# Altium PCB SVEC.pcbdoc (part 8 of 18)
Units mil, origin at the board's own origin, x right, y up, seen from the top; angles counter-clockwise.
Board outline 6349.25 x 9237.04 mil, 10 copper layers (Top Layer, L2 GND, L3, L4 PWR3.3, L5, L6, L7 GND, L8, L9 PWR, Bottom Layer), stack 58.268 mil thick; 906 components, 904 nets, 4753 pads, 3116 vias.
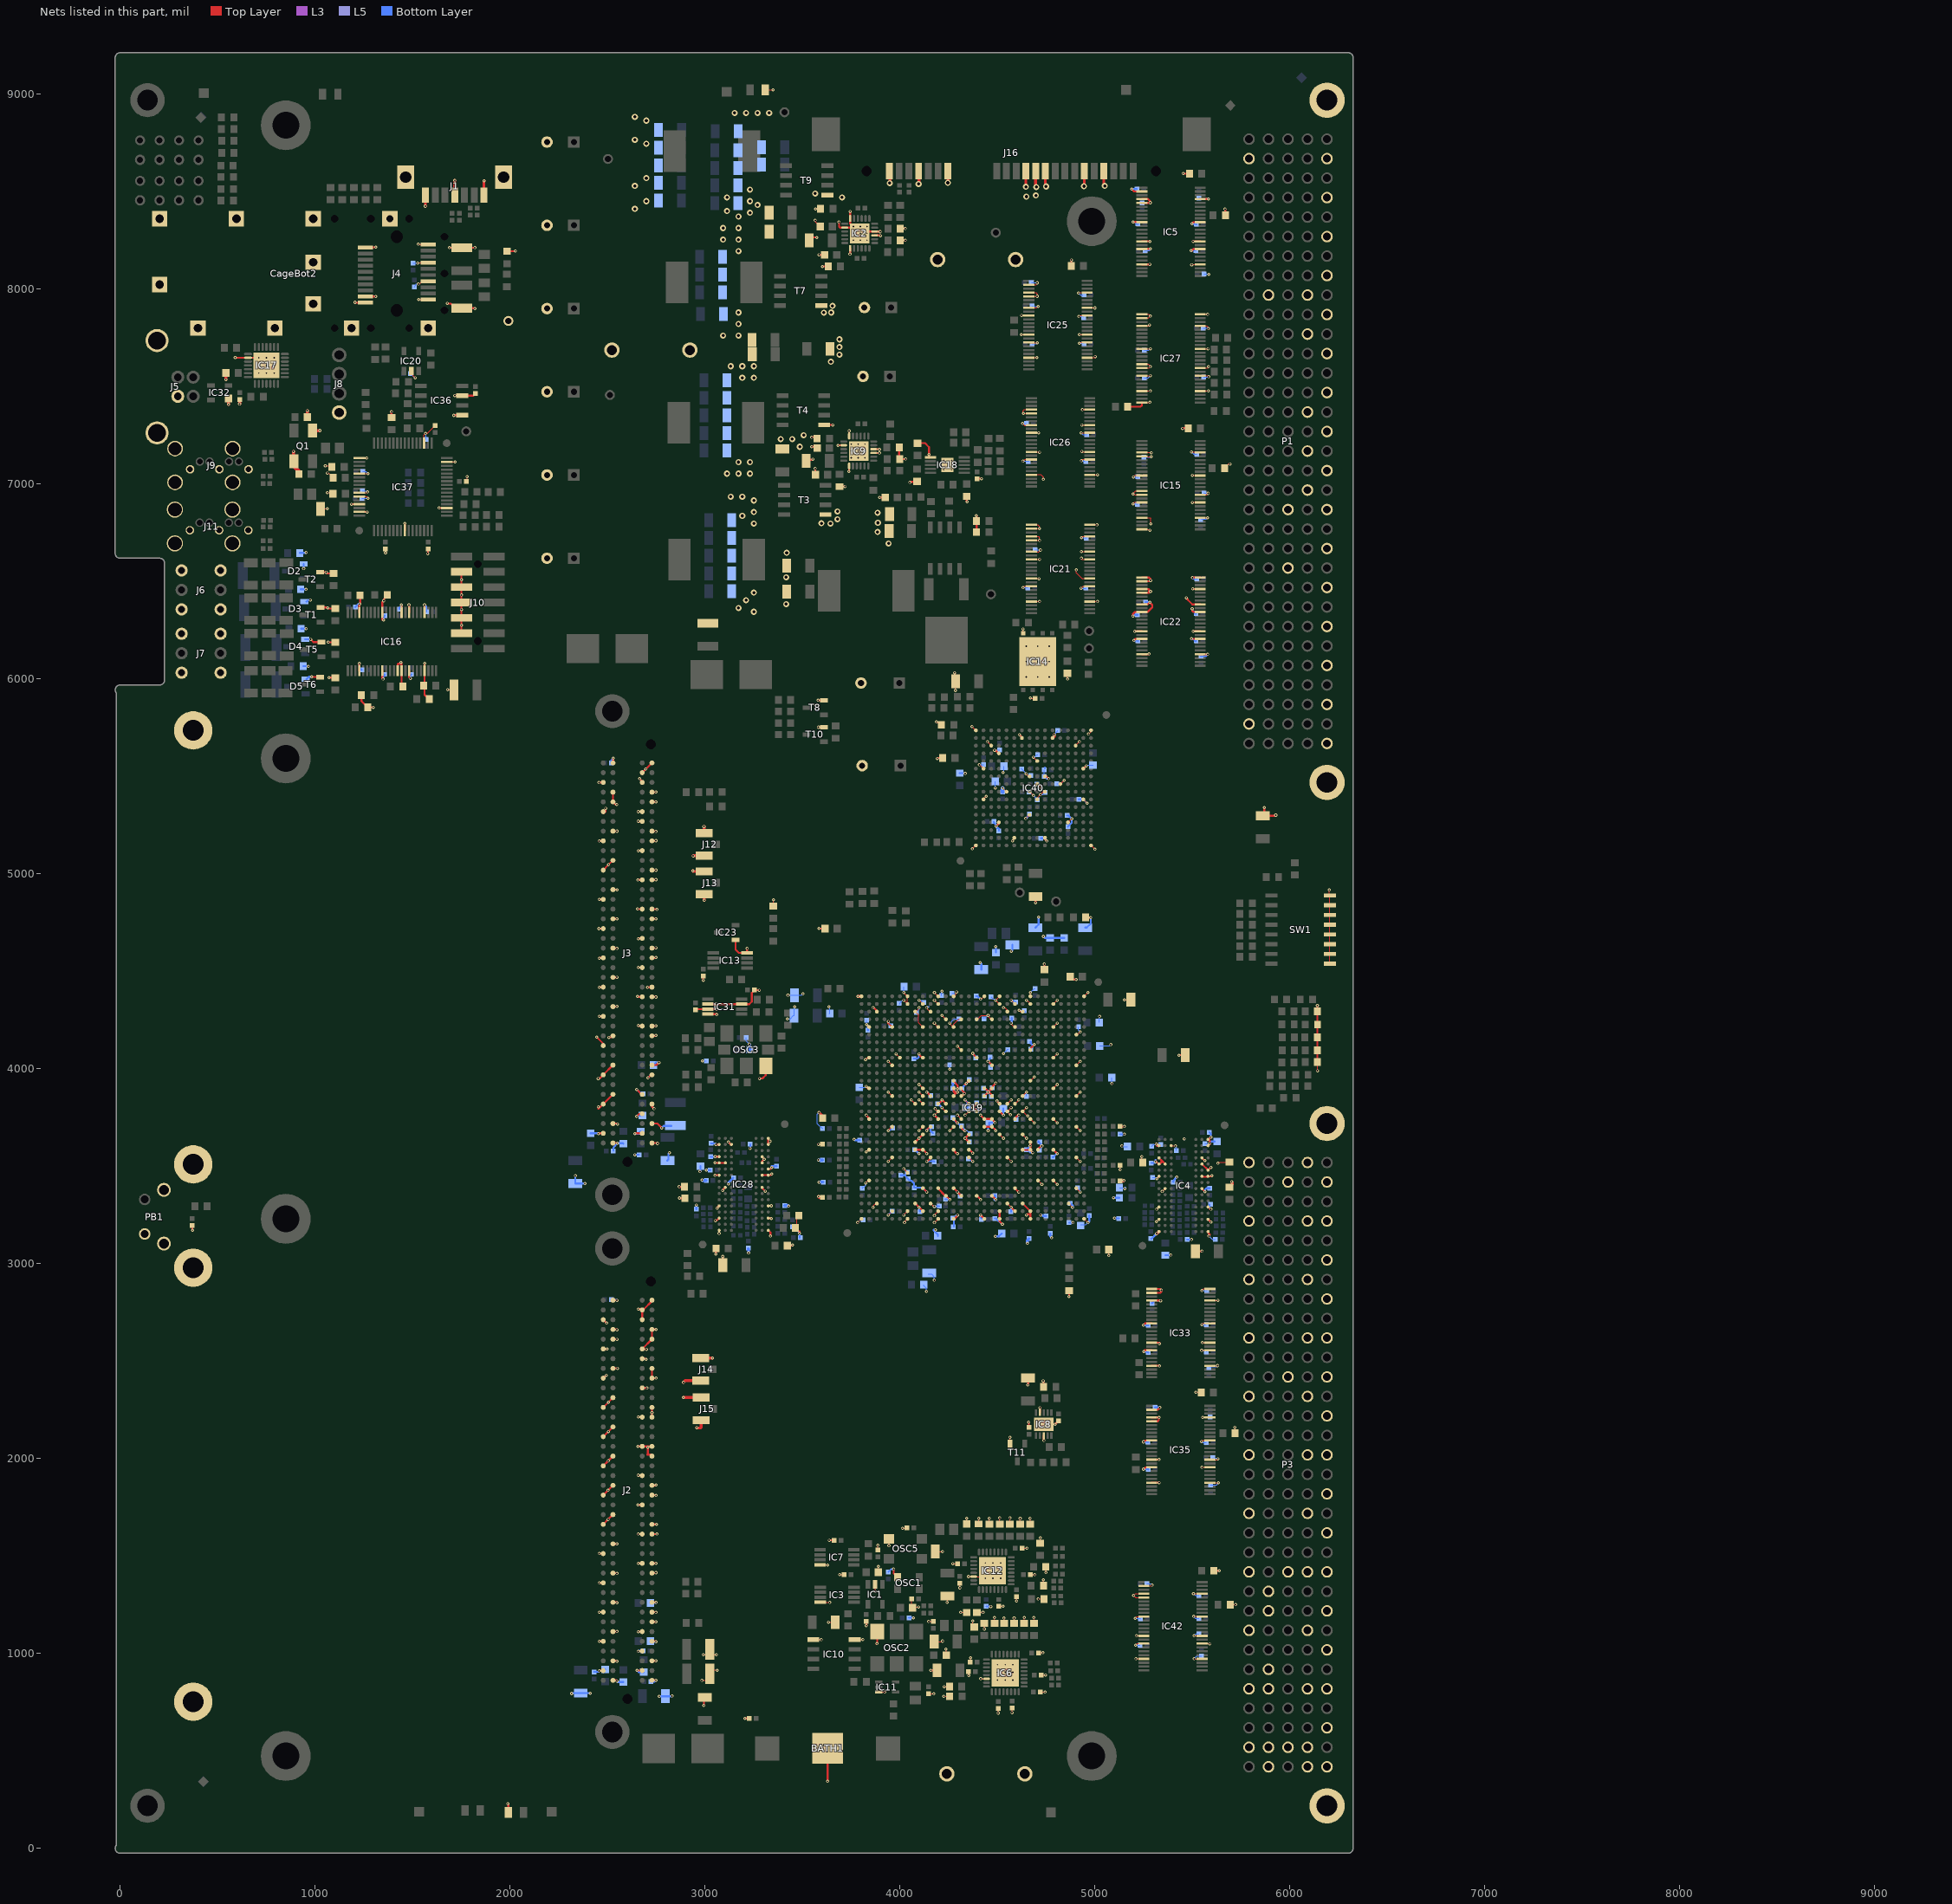
[diagram p16: the nets of this part, all layers, seen from the top]

## Via types
v1: diameter 15.75, hole 7.87, Top Layer to Bottom Layer, tented both sides, 2844 vias
v2: diameter 31.5, hole 15.75, Top Layer to Bottom Layer, tented both sides, 224 vias
v3: diameter 19.68, hole 7.87, Top Layer to Bottom Layer, tented both sides, 31 vias
v4: diameter 15.75, hole 7.87, Top Layer to Bottom Layer, 17 vias

## Nets (pads, with @x,y where several pads share a name; then routed paths per layer and width w, separated by ;. In a path a pad name is that pad's centre, name@x,y a point inside that pad or via, vN(x,y) a via of type N, cw(c..) or ccw(c..) an arc to the next point about the centre after c; other vN are vias at no path point) (continued)
GND: B10.1 B12.1 B13.1 B14.1 B15.1 BATH1.2 C1.1 C2.1 C3.1 C4.1 C5.1 C6.1 C7.1 C8.1 C9.1 C10.1 C11.1 C12.1 C13.2 C14.1 C15.1 C16.1 C17.1 C18.1 C19.1 C20.1 C21.1 C22.1 C23.1 C24.1 C25.1 C26.1 C27.1 C28.1 C29.1 C30.1 C31.1 C32.1 C33.1 C34.1 C35.1 C40.1 C42.1 C43.1 C44.2 C45.1 C46.1 C47.1 C48.1 C49.1 C50.1 C51.1 C52.1 C53.1 C55.1 C56.1 C57.1 C58.1 C59.1 C60.2 C61.1 C62.1 C63.1 C65.1 C66.1 C67.1 C68.1 C69.1 C70.1 C71.1 C72.1 C73.1 C75.1 C76.1 C77.1 C80.2 C81.1 C82.1 C83.1 C84.1 C85.1 C86.1 C87.1 C88.2 C89.1 C90.1 C91.1 C92.1 C93.1 C94.1 C95.1 C96.1 C97.1 C98.1 C99.1 C101.1 C102.1 C103.1 C104.1 C105.1 C106.1 C107.1 C108.1 C109.1 C110.1 C111.1 C112.1 C113.1 C114.1 C115.1 C117.1 C118.1 C119.1 C120.1 C121.1 C122.1 C123.1 C124.1 C125.2 C126.1 C127.2 C128.1 C129.1 C130.1 C131.1 C132.2 C133.1 C134.1 C135.1 C136.1 C137.1 C138.1 C139.1 C140.1 C141.1 C142.1 C143.1 C144.1 C145.1 C146.1 C147.1 C148.1 C149.1 C150.1 C151.1 C152.1 C153.2 C154.1 C155.1 C156.1 C158.1 C159.1 C160.1 C161.1 C163.1 C164.2 C166.2 C168.1 C169.1 C170.1 C171.1 C172.1 C173.1 C174.1 C175.2 C176.2 C177.1 C178.1 C179.2 C180.1 C181.1 C182.2 C183.1 C184.1 C185.2 C186.2 C187.1 C188.1 C189.1 C190.1 C191.1 C192.1 C193.1 C194.1 C196.1 C197.1 C198.1 C199.1 C200.1 C201.1 C202.1 C203.1 C204.1 C205.1 C206.1 C207.1 C208.1 C209.1 C210.1 C211.2 C212.1 C214.2 C215.1 C216.1 C217.1 C218.1 C219.2 C220.2 C221.1 C222.1 C223.1 C224.2 C225.2 C226.1 C227.1 C228.2 C229.1 C230.1 C231.1 C232.1 C233.1 C234.1 C235.1 C236.2 C237.1 C238.2 C239.1 C240.2 C241.2 C242.1 C243.1 C244.1 C245.1 C246.1 C247.2 C248.2 C249.2 C250.1 C251.1 C252.1 C253.2 C254.1 C255.1 C256.1 C257.1 C263.1 C264.2 C268.1 C269.1 C270.1 C271.1 C272.1 C273.1 C274.1 C275.1 C276.1 C277.1 C278.1 C279.1 C280.1 C281.1 C282.1 C283.1 C284.1 C285.1 C286.1 C287.2 C288.1 C289.1 C290.1 C291.1 C292.1 C293.1 C294.2 C295.1 C296.2 C297.1 C298.1 C299.1 C300.1 C301.2 C302.1 C303.1 C304.1 C305.1 C306.2 C307.2 C308.2 C309.1 C310.1 C311.1 C312.1 C313.1 C314.2 C315.1 C316.1 C317.1 C318.1 C319.2 C320.1 C321.1 C322.1 C323.1 C324.2 C325.1 C326.2 C327.1 C328.2 C329.1 C330.1 C331.2 C332.1 C333.1 C334.1 C335.1 C336.2 C337.1 C338.2 C339.1 C340.1 C341.1 C342.1 C343.1 C344.1 C345.1 C346.1 C347.1 C351.2 C352.2 C353.2 C354.2 C355.1 C357.1 C359.2 C360.1 C361.1 C362.2 C363.2 C364.1 C365.2 C366.2 C367.2 C368.2 C369.1 C370.1 C371.1 C372.1 C373.1 C374.1 C375.1 C377.1 C378.2 C379.1 C380.1 C381.1 C382.1 C383.1 C384.1 C385.1 C387.1 C388.1 C389.1 C390.1 C391.1 C393.1 C394.1 C395.1 C396.1 C397.1 C398.1 C399.1 C400.1 C401.1 C402.1 C403.1 C404.1 C405.1 C406.1 C412.2 C431.1 C435.2 C436.2 C437.1 C447.2 C453.1 C457.1 C464.2 C465.1 C468.1 C500.1 C501.2 C506.1 C507.2 C512.1 C513.2 C516.1 C517.2 C519.2 C520.1 C521.2 C522.1 CageBot2.21 CageBot2.22 CageBot2.23 CageBot2.24 CageBot2.25 CageBot2.26 CageBot2.27 CageBot2.28 CageBot2.29 CageBot2.30 CageBot2.31 D2.1 D3.1 D4.1 D5.1 IC1.2 IC2.3 IC2.4 IC2.12 IC2.14 IC2.19 IC2.25 IC3.8 IC4.A9 IC4.B1 IC4.B3 IC4.B9 IC4.D1 IC4.D8 IC4.E1 IC4.E2 IC4.E8 IC4.F9 IC4.G1 IC4.G8 IC4.G9 IC4.J2 IC4.J8 IC4.M1 IC4.M9 IC4.P1 IC4.P9 IC4.T1 IC4.T9 IC5.2 IC5.4 IC5.5 IC5.10 IC5.15 IC5.17 IC5.21 IC5.28 IC5.32 IC5.34 IC5.39 IC5.45 IC6.22 IC6.33 IC7.8 IC8.4 IC8.8 IC8.11 IC9.3 IC9.4 IC9.12 IC9.14 IC9.19 IC9.25 IC10.4 IC10.5 IC11.3 IC12.22 IC12.33 IC13.4 IC14.4 IC14.9 IC15.4 IC15.5 IC15.10 IC15.14 IC15.15 IC15.17 IC15.21 IC15.24 IC15.28 IC15.32 IC15.34 IC15.39 IC15.45 IC16.4 IC16.10 IC16.14 IC16.15 IC16.17 IC16.21 IC16.28 IC16.32 IC16.34 IC16.39 IC16.45 IC17.2 IC17.29 IC18.6 IC18.11 IC19.A1 IC19.A8 IC19.A12 IC19.A14 IC19.A18 IC19.A20 IC19.A24 IC19.A30 IC19.AA2 IC19.AA13 IC19.AA26 IC19.AB5 IC19.AB15 IC19.AB22 IC19.AB25 IC19.AB29 IC19.AC8 IC19.AC17 IC19.AE2 IC19.AF5 IC19.AF10 IC19.AF18 IC19.AF20 IC19.AF22 IC19.AF26 IC19.AF29 IC19.AG13 IC19.AG15 IC19.AG17 IC19.AG19 IC19.AH9 IC19.AH11 IC19.AH21 IC19.AH23 IC19.AH28 IC19.AJ5 IC19.AJ8 IC19.AJ10 IC19.AJ12 IC19.AJ20 IC19.AJ22 IC19.AJ24 IC19.AK1 IC19.AK8 IC19.AK12 IC19.AK14 IC19.AK18 IC19.AK20 IC19.AK24 IC19.AK30 IC19.B8 IC19.B10 IC19.B12 IC19.B20 IC19.B22 IC19.B24 IC19.B26 IC19.C3 IC19.C9 IC19.C11 IC19.C21 IC19.C23 IC19.C28 IC19.D13 IC19.D15 IC19.D17 IC19.D19 IC19.E2 IC19.E10 IC19.E18 IC19.E20 IC19.E22 IC19.F5 IC19.F7 IC19.F29 IC19.G24 IC19.J2 IC19.J11 IC19.J16 IC19.J21 IC19.J26 IC19.K5 IC19.K7 IC19.K8 IC19.K9 IC19.K16 IC19.K18 IC19.K22 IC19.K23 IC19.K29 IC19.L8 IC19.L16 IC19.L23 IC19.M9 IC19.M12 IC19.M16 IC19.M22 IC19.N2 IC19.N13 IC19.N14 IC19.N17 IC19.N18 IC19.N21 IC19.N22 IC19.N26 IC19.P5 IC19.P8 IC19.P10 IC19.P13 IC19.P14 IC19.P17 IC19.P18 IC19.P20 IC19.P29 IC19.R9 IC19.R11 IC19.R12 IC19.R15 IC19.R16 IC19.R19 IC19.R20 IC19.T10 IC19.T11 IC19.T12 IC19.T15 IC19.T16 IC19.T19 IC19.T20 IC19.T22 IC19.T23 IC19.U2 IC19.U9 IC19.U13 IC19.U14 IC19.U17 IC19.U18 IC19.U21 IC19.U22 IC19.U26 IC19.V5 IC19.V13 IC19.V14 IC19.V17 IC19.V18 IC19.V22 IC19.V29 IC19.W8 IC19.W16 IC19.W18 IC20.2 IC21.1 IC21.2 IC21.4 IC21.5 IC21.8 IC21.10 IC21.15 IC21.17 IC21.21 IC21.28 IC21.32 IC21.34 IC21.39 IC21.41 IC21.45 IC21.48 IC22.1 IC22.2 IC22.4 IC22.5 IC22.8 IC22.10 IC22.15 IC22.17 IC22.21 IC22.28 IC22.32 IC22.34 IC22.39 IC22.41 IC22.45 IC22.48 IC23.1 IC25.2 IC25.4 IC25.5 IC25.8 IC25.10 IC25.15 IC25.17 IC25.21 IC25.28 IC25.32 IC25.34 IC25.39 IC25.41 IC25.45 IC26.4 IC26.5 IC26.8 IC26.10 IC26.15 IC26.17 IC26.21 IC26.28 IC26.32 IC26.34 IC26.39 IC26.41 IC26.45 IC27.1 IC27.2 IC27.4 IC27.10 IC27.14 IC27.15 IC27.17 IC27.21 IC27.24 IC27.28 IC27.32 IC27.34 IC27.39 IC27.45 IC27.48 IC28.A9 IC28.B1 IC28.B3 IC28.B9 IC28.D1 IC28.D8 IC28.E1 IC28.E2 IC28.E8 IC28.F9 IC28.G1 IC28.G8 IC28.G9 IC28.J2 IC28.J8 IC28.M1 IC28.M9 IC28.P1 IC28.P9 IC28.T1 IC28.T9 IC31.2 IC31.3 IC31.4 IC31.7 IC32.1 IC33.1 IC33.2 IC33.4 IC33.10 IC33.15 IC33.17 IC33.21 IC33.28 IC33.32 IC33.34 IC33.39 IC33.45 IC33.48 IC35.2 IC35.4 IC35.5 IC35.10 IC35.15 IC35.17 IC35.21 IC35.28 IC35.32 IC35.34 IC35.39 IC35.45 IC36.5 IC36.7 IC37.1 IC37.5 IC37.10 IC37.11 IC37.13 IC37.15 IC37.25 IC37.35 IC37.47 IC37.51 IC40.A1 IC40.A16 IC40.B7 IC40.B11 IC40.D4 IC40.D13 IC40.E9 IC40.G2 IC40.G8 IC40.G15 IC40.H7 IC40.H9 IC40.H12 IC40.J5 IC40.J8 IC40.K7 IC40.K9 IC40.L2 IC40.L15 IC40.M8 IC40.N13 IC40.P3 IC40.P14 IC40.R6 IC40.R10 IC40.T1 IC40.T16 IC42.2 IC42.4 IC42.5 IC42.10 IC42.15 IC42.17 IC42.21 IC42.28 IC42.32 IC42.34 IC42.39 IC42.45 J1.1 J1.4 J1.7 J1.8 J2.c1 J2.c4 J2.c5 J2.c8 J2.c9 J2.c12 J2.c13 J2.c16 J2.c17 J2.c20 J2.c21 J2.c24 J2.c25 J2.c28 J2.c29 J2.c32 J2.c33 J2.c34 J2.c36 J2.c38 J2.c40 J2.d2 J2.d3 J2.d6 J2.d7 J2.d10 J2.d13 J2.d16 J2.d19 J2.d22 J2.d25 J2.d28 J2.d35 J2.d37 J2.d39 J2.g1 J2.g4 J2.g5 J2.g8 J2.g11 J2.g14 J2.g17 J2.g20 J2.g23 J2.g26 J2.g29 J2.g32 J2.g35 J2.g38 J2.g40 J2.h3 J2.h6 J2.h9 J2.h12 J2.h15 J2.h18 J2.h21 J2.h24 J2.h27 J2.h30 J2.h33 J2.h36 J2.h39 J3.c1 J3.c4 J3.c5 J3.c8 J3.c9 J3.c12 J3.c13 J3.c16 J3.c17 J3.c20 J3.c21 J3.c24 J3.c25 J3.c28 J3.c29 J3.c32 J3.c33 J3.c36 J3.c38 J3.c40 J3.d2 J3.d3 J3.d6 J3.d7 J3.d10 J3.d13 J3.d16 J3.d19 J3.d22 J3.d25 J3.d28 J3.d35 J3.d37 J3.d39 J3.g1 J3.g4 J3.g5 J3.g8 J3.g11 J3.g14 J3.g17 J3.g20 J3.g23 J3.g26 J3.g29 J3.g32 J3.g35 J3.g38 J3.g40 J3.h3 J3.h6 J3.h9 J3.h12 J3.h15 J3.h18 J3.h21 J3.h24 J3.h27 J3.h30 J3.h33 J3.h36 J3.h39 J4.1 J4.9 J4.10 J4.11 J4.14 J4.17 J4.20 J5.4 J5.5 J6.3 J7.3 J8.1 J9.1 J9.4 J9.7 J9.8 J10.3 J10.5 J10.7 J10.9 J10.11 J11.1 J11.4 J11.7 J11.8 J12.2 J13.2 J14.2 J15.2 J16.P4 J16.P5 J16.P6 J16.P10 J16.P12 J16.S1 J16.S4 J16.S7 LD15.1 OSC1.3 OSC2.3 OSC3.3 OSC5.2 P1.a9 P1.a11 P1.a15 P1.a17 P1.a19 P1.b20 P1.b23 P1.c9 P1.d2 P1.d31 P1.MTG1 P1.MTG2 P1.z2 P1.z4 P1.z6 P1.z8 P1.z10 P1.z12 P1.z14 P1.z16 P1.z18 P1.z20 P1.z22 P1.z24 P1.z26 P1.z28 P1.z30 P1.z32 P3.a1 P3.a4 P3.a7 P3.a10 P3.a13 P3.a16 P3.a19 P3.a22 P3.a25 P3.a28 P3.a31 P3.a32 P3.b2 P3.b12 P3.b22 P3.b31 P3.c23 P3.c24 P3.c27 P3.c28 P3.c31 P3.c32 P3.d1 P3.d4 P3.d7 P3.d10 P3.d13 P3.d16 P3.d19 P3.d22 P3.d25 P3.d28 P3.d31 P3.MTG1 P3.MTG2 P3.z2 P3.z4 P3.z6 P3.z8 P3.z10 P3.z12 P3.z14 P3.z16 P3.z18 P3.z20 P3.z22 P3.z24 P3.z26 P3.z28 P3.z30 P3.z32 PB1.1 PB1.3 PB1.4 Q1.2 Q1.4 R1.1 R4.1 R5.1 R6.1 R8.1 R10.1 R11.1 R12.1 R13.1 R17.1 R22.1 R23.1 R24.1 R25.1 R32.1 R33.1 R35.1 R36.2 R38.1 R87.1 R88.1 R90.1 R91.2 R101.2 R103.2 R120.1 R122.1 R127.2 R128.1 R132.1 R135.2 R138.1 R141.2 R146.2 R153.2 R155.1 R156.2 R163.1 R164.1 R165.1 R166.1 R170.1 R171.1 R174.2 R176.2 R177.2 R179.2 R180.1 R185.2 R188.1 R189.1 R190.2 R191.2 R193.1 R195.1 R196.1 R197.1 R198.1 R201.1 R204.1 R205.1 R206.1 R208.1 R210.1 R211.1 R220.2 R232.1 R236.2 R244.1 R245.1 R249.1 R250.1 R251.1 R252.1 R253.1 R254.1 R255.1 R256.1 R257.1 R268.2 R270.1 R278.1 R285.1 SW1.9 SW1.10 SW1.11 SW1.12 SW1.13 SW1.14 SW1.15 SW1.16 SW3.1 SW3.2 SW5.1 SW5.2 SW6.1 SW6.2 T1.2 T2.2 T3.1 T4.1 T5.2 T6.2 T7.1 T8.2 T9.1 T10.2 T11.2 | length 37360.7
  Top Layer w4.75: v1(3872.55,1318.51) IC1.2@3872.55,1354.18 ; C26.1@3886.55,1526.72 3886.55,1547.51 v1@3887.55,1548.51 ; v1(3888.55,1446.51) 3889.05,1446.01 C468.1@3889.05,1417 ; v1(3943.55,1552.51) 3943.91,1552.86 OSC5.2@3943.91,1588.18 ; C22.1@4059.84,1285 C22.1@4059.84,1279.51 4059.84,1243.21 4065.05,1238 4095.05,1238 v1(4095.55,1238.51)
  Top Layer w5: C355.1@1028.5,6872.51 1057.55,6872.51 v1@1059.55,6870.51 ; v1@1053.69,7093.64 C360.1@1078.19,7093.64 ; v1(1063.55,6954.51) C361.1@1091.06,6954.51 ; v1(1063.55,7055.51) 1069.82,7055.51 R232.1@1081.94,7043.39 ; IC37.11@1226.58,6935.29 1264.77,6935.29 1273.55,6926.51 1272.55,6926.51 v1(1271.55,6925.51) ; IC37.10@1226.58,6954.98 1266.03,6954.98 v1(1269.55,6958.51) ; IC37.5@1226.58,7053.4 1227.48,7052.51 v1(1271.55,7052.51) ; IC37.1@1226.58,7132.14 1265.19,7132.14 v1(1265.55,7132.51) ; IC20.2@1493.55,7579.32 1503.05,7569.82 1503.05,7555.01 v1(1513.55,7544.51) ; v1(1526.55,8132.51) 1528.48,8134.43 J4.17@1580.97,8134.43 ; v1(1529.55,8229.51) 1530.14,8228.92 J4.20@1580.97,8228.92 ; v1(1530.08,8024.98) 1536.02,8024.98 1551.99,8040.94 J4.14@1567.97,8040.94 ; v1(1531.55,7945.51) 1531.61,7945.45 J4.11@1580.97,7945.45 ; IC37.51@1559.25,7208.92 1559.25,7250.21 v1(1567.55,7258.51) 1576.55,7258.51 1616.27,7298.22 C367.2@1616.99,7298.22 ; IC37.47@1675.4,7112.46 v1(1718.55,7112.46) ; v1(1679.55,5943.51) C13.2@1712.5,5943.51 ; C368.2@1770.27,7013.51 1772.55,7013.51 1779.69,7020.64 v1@1779.69,7035.64 ; v1(2983.69,861.64) 3018.69,861.64 3024.74,867.7 C308.2@3024.74,895.64 3033.69,904.58 3033.69,914.64 3061.69,914.64 v1(3062.69,913.64) ; v1(2990.69,993.64) 3017.69,993.64 3024.61,1000.56 C241.2@3024.61,1021.51 3037.69,1008.43 3037.69,993.64 v1(3058.69,993.64) ; R103.2@3309.45,9021.07 v1(3348.82,9021.07) ; R13.1@3350.55,4834 3350.55,4865.51 v1(3351.55,4866.51) ; R180.1@3470.55,3191.51 3470.55,3250.01 R285.1@3471.05,3250.51 ; IC10.5@3555.25,1071 3593.06,1071 v1@3594.55,1069.51 ; v1(3565.55,8351.51) 3565.55,8345.77 3591.06,8320.27 C300.1@3591.06,8319.51 ; v1(3581.55,3611.51) 3582.55,3612.51 C397.1@3601.84,3612.51 ; IC7.8@3589.94,1454.62 3628.44,1454.62 v1(3629.55,1453.51) ; IC3.8@3590.94,1262.62 3638.44,1262.62 v1(3639.55,1261.51) ; R127.2@3596.06,3753.51 R127.2@3603.06,3746.51 ; v1@3637.55,1160.51 3638.06,1160 C12.1@3668.61,1160 ; v1@3693.55,1404.51 3694.06,1404 C236.2@3713.84,1404 ; IC10.4@3767.85,1071 3805.05,1071 v1@3806.55,1072.51 ; v1(3783,3209.95) IC19.A30@3802.69,3229.64 ; v1@3823.55,3413.51 3836.54,3426.49 IC19.F29@3842.06,3426.49 ; v1(3823.55,4046.51) 3822.55,4046.51 3832.46,4056.41 IC19.AB29@3842.06,4056.41 ; v1(3826.55,3573.51) 3837.02,3583.97 IC19.K29@3842.06,3583.97 ; v1@3860.55,3292.51 3876.43,3308.38 IC19.C28@3881.43,3308.38 ; IC11.3@3891.25,801.41 3921.46,801.41 v1(3921.55,801.51) ; v1@3939.55,3524.51 3940.07,3524.51 IC19.J26@3960.17,3544.6 ; v1@3939.55,3684.51 3957.13,3702.08 IC19.N26@3960.17,3702.08 ; v1(3940.48,3249.33) IC19.B26@3960.17,3269.01 ; v1(3940.48,3879.25) IC19.U26@3960.17,3859.56 ; v1(3940.48,4036.73) IC19.AA26@3960.17,4017.04 ; v1@3967.34,1432.72 v1(3967.55,1432.51) ; v1(3979.85,4076.1) IC19.AB25@3999.54,4056.41 ; v1@4012.78,1642.84 C27.1@4035,1642.84 ; v1@4018.55,4391.51 4018.77,4391.51 IC19.AK24@4038.91,4371.37 IC19.AJ24@4038.91,4332 4038.06,4332 v1@4019.55,4350.51 ; v1(4019.22,3485.55) IC19.G24@4038.91,3465.86 ; v1@4023.55,3205.51 4023.55,3205.62 4019.22,3209.95 IC19.A24@4038.91,3229.64 ; v1@4023.55,3253.51 4023.4,3253.51 IC19.B24@4038.91,3269.01 ; v1(4058.59,3839.88) IC19.T23@4078.28,3820.19 ; v1@4066.05,1183 v1@4066.55,1183.51 ; v1@4092.55,4314.51 4098.55,4308.51 4082.68,4292.63 IC19.AH23@4078.28,4292.63 4096.55,4274.36 4096.55,4234.99 IC19.AF22@4117.65,4213.89 ; v1@4094.55,4350.51 4099.14,4350.51 IC19.AJ22@4117.65,4332 ; v1(4097.96,3682.4) IC19.N22@4117.65,3702.08 ; v1(4097.96,3839.88) IC19.T22@4117.65,3820.19 ; v1(4097.96,3879.25) IC19.U22@4117.65,3859.56 ; v1(4097.96,3918.62) IC19.V22@4117.65,3898.93 ; v1@4136.55,4307.51 4138.55,4307.51 4153.43,4292.63 IC19.AH21@4157.02,4292.63 ; C29.1@4146.55,793.29 4172.77,793.29 v1(4173.55,792.51) ; v1(4147.55,1163.51) 4147.77,1163.72 C23.1@4171.55,1163.72 ; IC19.C21@4157.02,3308.38 v1@4176.7,3288.69 ; 4168.55,4233.51 4176.63,4233.51 v1(4176.7,4233.58) IC19.AF20@4196.39,4213.89 ; v1@4175.55,3209.51 4176.25,3209.51 IC19.A20@4196.39,3229.64 ; v1@4175.55,3249.51 4176.52,3249.51 4176.7,3249.32 IC19.B20@4196.39,3269.01 ; v1@4175.55,4351.51 v1@4176.55,4351.51 ; v1@4175.55,4391.51 4176.25,4391.51 IC19.AK20@4196.39,4371.37 ; v1@4176.55,4351.54 v1(4176.7,4351.69) IC19.AJ20@4196.39,4332 ; v1(4176.7,3761.14) IC19.R20@4196.39,3780.82 4192.51,3780.82 4178.69,3794.64 v1(4180.69,3794.64) ; C50.1@4181.5,1523 4218.06,1523 v1(4218.55,1522.51) ; C11.1@4182.5,1061 4216.05,1061 v1(4218.55,1063.51) ; v1(4216.07,3800.51) IC19.R19@4235.76,3780.82 ; v1@4216.45,4269.12 4219.9,4269.12 IC19.AG19@4235.76,4253.26 ; v1(4225.55,780.51) 4226.06,780 R250.1@4255.06,780 ; v1(4227.06,830) R249.1@4254.06,830 ; v1(4235.55,1022.51) 4237.05,1021.01 C453.1@4237.05,991 ; v1(4241.55,1262.51) 4243.55,1264.51 C42.1@4243.55,1294.45 ; v1@4254.55,4230.51 4255.55,4230.51 4272.17,4213.89 IC19.AF18@4275.13,4213.89 4275.13,4228.41 4299.98,4253.26 IC19.AG17@4314.5,4253.26 ; v1(4255.44,3682.4) IC19.N18@4275.13,3702.08 ; IC19.AK18@4275.13,4371.37 4279.42,4371.37 4287.19,4379.14 4287.19,4389.14 v1@4291.55,4393.51 ; v1@4275.55,1460.51 4276.06,1460 C48.1@4295.84,1460 ; v1(4280.55,6031.51) 4285.5,6026.56 C302.1@4285.5,5987.51 4285.5,5941.45 v1(4284.55,5940.51) ; v1(4294.81,3761.14) IC19.P17@4314.5,3741.45 ; v1(4294.81,4115.47) IC19.AC17@4314.5,4095.78 ; v1@4306.55,1340.51 4307.55,1341.51 C4.1@4307.55,1360.79 ; v1@4314.55,1210.51 R6.1@4342.55,1210.51 ; v1(4334.18,3761.14) IC19.R16@4353.87,3780.82 ; v1(4334.18,3839.88) IC19.T16@4353.87,3820.19 ; v1@4340.55,1691.51 4342.55,1689.51 C55.1@4342.55,1664 ; v1(4351.55,1394.51) IC12.22@4378.1,1394.47 IC12.33@4445.03,1394.47 ; C2.1@4351.84,907.51 4351.84,887.22 v1(4352.55,886.51) ; IC19.J16@4353.87,3544.6 v1(4373.55,3524.92) 4373.15,3524.51 v1@4371.55,3524.51 ; v1(4362.55,977.51) 4362.84,977.22 C51.1@4362.84,955.51 ; v1(4369.59,5755.47) IC40.T16@4389.28,5735.78 ; v1(4371.55,5127.51) IC40.A16@4389.28,5145.23 ; C52.1@4373.55,1135.5 v1(4373.55,1166.51) ; IC19.AG15@4393.24,4253.26 4397.31,4253.26 4416.99,4272.95 v1(4452.29,4272.95) ; R8.1@4394.55,1210.51 4420.55,1210.51 4421.55,1211.51 v1@4422.55,1211.51 ; v1@4401.55,1690.51 4403.55,1688.51 R4.1@4403.55,1664.5 ; v1@4408.96,5558.62 IC40.L15@4428.65,5538.93 ; v1(4413.55,4356.51) 4417.74,4356.51 IC19.AK14@4432.61,4371.37 ; v1(4414.55,870.51) 4415.08,869.98 IC6.22@4444.1,869.98 ; IC40.G15@4428.65,5381.45 4428.65,5383.6 v1(4442.55,5397.51) ; R1.1@4433.08,1154.5 4433.08,1128.98 v1@4433.55,1128.51 ; v1(4448.33,5676.73) IC40.P14@4468.02,5657.04 ; v1@4452.55,4266.51 4454.55,4266.51 4467.8,4253.26 IC19.AG13@4471.98,4253.26 ; R23.1@4458.55,1663.5 v1@4458.55,1689.51 ; v1@4463.33,1241.29 v1@4463.55,1241.51 ; v1@4484.55,1180.51 4485.08,1179.98 R252.1@4485.08,1154.5 ; v1@4502.55,697.51 4503.55,698.51 C21.1@4503.55,717.79 ; C81.1@4507.55,1241.29 4527.33,1241.29 v1(4528.55,1242.51) ; IC19.M12@4511.35,3662.71 v1(4531.03,3643.03) ; IC19.AJ12@4511.35,4332 4510.06,4332 4491.55,4350.51 4491.55,4351.58 IC19.AK12@4511.35,4371.37 ; R10.1@4511.55,1663.5 v1@4511.55,1689.51 ; v1(4527.07,5440.51) IC40.H12@4546.76,5420.82 ; v1(4533.55,1181.51) 4535.08,1179.98 R251.1@4535.08,1154.5 ; v1@4538.55,4312.51 4550.72,4300.34 IC19.AH11@4550.72,4292.63 ; IC19.C11@4550.72,3308.38 v1(4570.4,3288.7) ; IC19.J11@4550.72,3544.6 4570.81,3524.51 v1@4571.55,3524.51 ; IC19.T11@4550.72,3820.19 v1(4570.4,3839.88) ; R5.1@4563.55,1663.5 v1@4563.55,1689.51 ; v1(4563.55,2108.51) 4565.15,2106.91 T11.2@4565.15,2076.78 ; v1(4566.69,3763.64) 4564.69,3763.64 4550.72,3777.61 IC19.R11@4550.72,3780.82 v1(4570.4,3800.51) ; v1@4567.55,4350.51 4571.59,4350.51 IC19.AJ10@4590.09,4332 ; v1@4573.55,699.51 4574.55,700.51 C17.1@4574.55,719.79 ; v1@4575.55,5168.51 4575.76,5168.81 IC40.B11@4586.13,5184.6 ; 4576.55,4225.51 4576.55,4224.51 4587.17,4213.89 IC19.AF10@4590.09,4213.89 ; v1(4585.55,1181.51) 4586.08,1180.98 R245.1@4586.08,1154.5 ; IC19.T10@4590.09,3820.19 4603.4,3833.51 4603.55,3833.51 ; v1(4598.55,1268.51) C237.1@4598.55,1290.29 ; v1(4610.69,4299.64) 4617.7,4292.63 IC19.AH9@4629.46,4292.63 ; v1@4613.55,1689.51 4616.55,1686.51 R25.1@4616.55,1663.5 ; v1(4622.55,7765.51) 4622.77,7765.29 IC25.15@4660.95,7765.29 ; v1(4623.55,7864.51) 4624.34,7863.72 IC25.10@4660.95,7863.72 ; C88.2@4626.27,1539.51 4645.55,1539.51 v1@4646.55,1540.51 ; v1(4628.55,7309.51) 4639.55,7298.51 4644.55,7298.51 4648.14,7302.09 IC26.8@4673.95,7302.09 ; IC19.M9@4629.46,3662.71 v1(4649.14,3643.03) ; IC19.U9@4629.46,3859.56 v1(4649.14,3879.25) ; v1@4630.55,6253.51 4631.55,6252.51 IC14.4@4631.55,6234.18 ; v1(4630.55,7116.51) 4633.55,7116.51 4641.97,7124.92 IC26.17@4673.95,7124.92 ; v1(4631.55,6467.51) 4629.55,6467.51 4636.97,6474.92 IC21.17@4673.95,6474.92 ; v1@4631.55,7361.51 4631.55,7374.51 4637.88,7380.83 IC26.4@4673.95,7380.83 ; v1(4633.55,7361.51) 4633.92,7361.14 IC26.5@4673.95,7361.14 ; R254.1@4637.08,1154.5 4637.08,1183.03 v1(4637.55,1183.51) ; v1(4645.18,5283.02) IC40.E9@4664.87,5302.71 ; v1(4647.63,5512.35) 4660.42,5499.56 IC40.K9@4664.87,5499.56 ; v1(4649.14,3800.51) IC19.R9@4629.46,3780.82 4630.51,3780.82 4653.39,3757.93 v1(4655.35,3757.93) ; v1@4651.55,4351.51 4668.83,4334.23 IC19.AJ8@4668.83,4332 ; IC25.21@4660.95,7647.18 4701.23,7647.18 v1(4702.55,7648.51) ; IC25.8@4660.95,7903.09 4701.14,7903.09 v1(4708.55,7910.51) ; IC25.5@4660.95,7962.14 4703.19,7962.14 v1(4703.55,7962.51) ; IC25.4@4660.95,7981.83 4698.23,7981.83 4705.55,7974.51 4705.55,7963.51 v1@4704.55,7963.51 ; IC25.2@4660.95,8021.2 4697.25,8021.2 4706.55,8030.51 4704.55,8030.51 v1(4703.55,8031.51) ; IC25.17@4663.55,7724.51 4664.55,7723.51 v1(4704.55,7723.51) ; IC40.H9@4664.87,5420.82 v1(4684.56,5401.14) ; v1@4667.55,1689.51 4668.55,1688.51 R24.1@4668.55,1663.5 ; v1@4668.55,4391.51 4668.83,4391.23 IC19.AK8@4668.83,4371.37 ; IC19.P8@4668.83,3741.45 v1(4688.51,3721.77) ; IC19.W8@4668.83,3938.3 v1(4688.51,3957.99) ; C7.1@4669.27,1404.51 4688.55,1404.51 v1@4689.55,1403.51 ; v1@4673.55,5900.51 C166.2@4693.84,5900.51 ; IC21.21@4673.95,6396.18 4716.23,6396.18 v1(4716.55,6396.51) ; IC21.15@4673.95,6514.29 4709.77,6514.29 v1@4710.55,6513.51 ; IC21.10@4673.95,6612.72 4715.77,6612.72 v1(4716.55,6613.51) ; IC21.5@4673.95,6711.14 4714.92,6711.14 v1(4716.55,6709.51) ; IC21.4@4673.95,6730.83 4711.23,6730.83 4716.55,6725.51 v1@4716.55,6711.51 ; IC21.2@4673.95,6770.2 4715.25,6770.2 v1(4715.55,6770.51) ; IC21.1@4673.95,6789.88 4707.18,6789.88 4714.55,6782.51 v1@4714.55,6772.51 ; IC26.21@4673.95,7046.18 4676.64,7048.88 4721.92,7048.88 4735.27,7035.53 v1(4735.27,7023.13) ; IC26.15@4673.95,7164.29 4714.77,7164.29 v1(4716.55,7162.51) ; IC26.10@4673.95,7262.72 4711.34,7262.72 v1(4711.55,7262.51) ; IC21.8@4678.55,6651.51 4711.55,6651.51 v1(4720.55,6660.51) ; v1(4684.55,5597.99) IC40.M8@4704.24,5578.3 ; v1@4687.55,1180.51 4688.08,1179.98 R253.1@4688.08,1154.5 ; IC40.G8@4704.24,5381.45 4704.24,5389.19 v1(4720.55,5405.51) 4735.87,5420.82 IC40.H7@4743.61,5420.82 ; IC40.J8@4704.24,5460.19 v1(4723.93,5440.51) ; IC19.F7@4708.2,3426.49 v1(4727.88,3406.81) ; v1(4709.55,1279.51) R135.2@4738.05,1279.51 ; R36.2@4719.55,1566 v1(4719.55,1592.51) ; C89.1@4720.27,802.51 4739.55,802.51 v1@4740.55,801.51 ; 4723.27,1004 4723.77,1003.51 v1@4731.55,1003.51 ; C80.2@4724.27,889.51 v1@4744.55,889.51 ; v1@4735.55,1374.51 v1@4736.05,1374.01 ; v1(4735.55,1377.51) 4736.05,1377.01 v1@4736.05,1374.01 ; R138.1@4736.05,1347.51 v1@4736.05,1374.01 ; v1@4747.55,1416.51 4748.05,1417 R122.1@4748.05,1444.51 ; IC19.F5@4786.94,3426.49 v1(4806.62,3406.81) ; IC19.P5@4786.94,3741.45 v1(4806.62,3721.77) ; IC19.V5@4786.94,3898.93 v1(4806.62,3918.62) ; IC19.AB5@4786.94,4056.41 v1(4806.62,4076.1) ; IC19.AF5@4786.94,4213.89 v1(4806.62,4233.58) ; IC19.AJ5@4786.94,4332 v1(4806.62,4351.69) 4806.81,4351.51 v1@4807.55,4351.51 ; IC40.J5@4822.35,5460.19 v1(4842.04,5479.88) ; C303.1@4858.55,6028.01 4858.55,5999.51 v1(4859.55,5998.51) ; IC40.D4@4861.72,5263.34 4881.41,5283.03 4881.55,5282.88 v1(4881.55,5281.51) ; IC19.C3@4865.68,3308.38 4882.55,3291.51 v1@4882.55,3286.51 ; IC40.P3@4901.09,5657.04 v1(4920.78,5676.73) ; v1(4904.55,6558.51) 4904.55,6543.51 4934.55,6513.51 4934.55,6514.51 4934.77,6514.29 IC21.34@4973.16,6514.29 ; IC19.E2@4905.05,3387.12 v1(4924.74,3367.44) ; IC19.J2@4905.05,3544.6 v1(4924.74,3524.92) 4924.55,3524.73 v1@4924.55,3524.51 ; IC19.N2@4905.05,3702.08 v1(4924.74,3682.4) ; IC19.U2@4905.05,3859.56 v1(4924.74,3879.25) ; IC19.AA2@4905.05,4017.04 v1(4924.74,4036.73) ; IC19.AE2@4905.05,4174.52 4910.57,4174.52 v1@4924.55,4188.51 ; v1(4916.55,7979.51) 4918.88,7981.83 IC25.45@4960.16,7981.83 ; v1(4918.55,7858.51) 4923.77,7863.72 IC25.39@4960.16,7863.72 ; v1(4919.55,7721.51) 4923.97,7725.92 IC25.32@4960.16,7725.92 ; v1@4923.55,7767.51 4924.55,7767.51 4926.77,7765.29 IC25.34@4960.16,7765.29 ; v1(4928.55,6464.51) 4938.97,6474.92 IC21.32@4973.16,6474.92 ; v1(4929.55,7261.51) 4930.55,7262.51 IC26.39@4961.55,7262.51 ; v1(4930.55,6618.51) 4930.55,6614.51 4932.34,6612.72 IC21.39@4973.16,6612.72 ; v1(4930.55,6652.51) 4930.97,6652.09 IC21.41@4973.16,6652.09 ; v1(4930.55,7118.51) 4936.97,7124.92 IC26.32@4973.16,7124.92 ; v1(4931.55,6723.51) 4938.88,6730.83 IC21.45@4973.16,6730.83 ; v1(4932.55,7166.51) 4934.77,7164.29 IC26.34@4973.16,7164.29 ; v1(4932.55,7302.51) 4932.97,7302.09 IC26.41@4973.16,7302.09 ; IC40.G2@4940.46,5381.45 v1(4960.15,5361.76) ; IC19.A1@4944.42,3229.64 v1(4964.11,3209.95) ; IC19.AK1@4944.42,4371.37 v1(4964.11,4391.06) ; IC25.28@4960.16,7647.18 5000.88,7647.18 5001.55,7646.51 v1(5001.55,7653.51) ; IC25.41@4960.16,7903.09 4998.97,7903.09 v1(4999.55,7902.51) ; v1(4967.5,5716.56) 4979.83,5728.88 IC40.T1@4979.83,5735.78 ; IC21.28@4973.16,6396.18 5012.23,6396.18 v1(5012.55,6396.51) ; IC21.48@4973.16,6789.88 5010.18,6789.88 v1(5010.55,6789.51) ; IC26.28@4973.16,7046.18 v1@5010.55,7046.18 ; IC40.A1@4979.83,5145.23 v1(4999.52,5125.54) ; v1@5010.55,7048.51 v1@5010.55,7046.18 ; v1@5023.55,4262.51 v1@5023.55,4264.51 ; C149.1@5071.05,3071.51 5071.55,3071 v1(5071.55,3041.51) ; v1(5081.55,4123.51) v1@5085.05,4120.01 ; C114.1@5128.27,3503.51 5128.27,3482.79 v1(5129.55,3481.51) ; v1@5146.55,3423.51 v1(5148.55,3425.51) ; v1(5151.55,4352.51) 5152.55,4353.51 C379.1@5184.61,4353.51 ; v1(5195.55,6897.51) 5202.97,6904.92 IC15.17@5240.95,6904.92 ; v1(5195.55,6948.51) 5195.55,6950.51 v1@5197.55,6952.51 ; v1(5197.55,7035.51) 5197.55,7036.51 5203.77,7042.72 IC15.10@5240.95,7042.72 ; v1(5206.55,1180.51) 5214.77,1188.72 IC42.10@5250.95,1188.72 ; v1(5208.55,1042.51) 5216.97,1050.92 IC42.17@5250.95,1050.92 ; v1(5210.55,972.51) 5250.62,972.51 IC42.21@5250.95,972.18 ; v1(5212.55,1090.51) 5212.77,1090.29 IC42.15@5250.95,1090.29 ; R91.2@5239.05,3519.51 5239.05,3547 v1(5240.55,3548.51) ; IC15.24@5240.95,6767.13 5281.93,6767.13 5282.55,6766.51 v1(5282.55,6762.51) ; IC15.21@5240.95,6826.18 5284.23,6826.18 5284.55,6826.51 5286.93,6824.13 v1(5286.93,6794.76) ; IC15.15@5240.95,6944.29 5203.77,6944.29 5197.55,6950.51 v1@5197.55,6952.51 ; IC15.14@5240.95,6963.98 5209.03,6963.98 v1@5197.55,6952.51 ; IC15.4@5240.95,7160.83 5288.23,7160.83 v1(5289.55,7159.51) ; IC27.24@5240.95,7417.13 5281.18,7417.13 v1(5282.55,7418.51) ; IC27.21@5240.95,7476.18 5281.23,7476.18 5281.55,7476.51 v1(5283.55,7476.51) ; IC27.15@5240.95,7594.29 5277.34,7594.29 v1(5283.55,7600.51) ; IC27.14@5240.95,7613.98 5274.08,7613.98 v1@5284.55,7603.51 ; IC27.4@5240.95,7810.83 5283.88,7810.83 5284.55,7811.51 v1(5280.31,7815.75) ; IC27.2@5240.95,7850.2 5274.25,7850.2 v1(5284.55,7860.51) 5275.18,7869.88 IC27.1@5240.95,7869.88 ; IC42.5@5250.95,1287.14 5208.92,1287.14 v1(5198.55,1297.51) 5207.88,1306.83 IC42.4@5250.95,1306.83 ; IC42.2@5250.95,1346.2 5288.25,1346.2 v1(5292.55,1350.51) ; IC15.5@5254.55,7141.51 5256.55,7139.51 v1(5288.55,7139.51) ; IC27.17@5254.55,7555.51 v1(5283.55,7555.51) ; IC27.10@5255.55,7693.51 v1(5284.55,7693.51) ; v1@5314.64,3155.33 v1@5315.51,3154.46 ; v1(5315.95,3215.13) 5315.95,3217.11 5316.55,3216.51 5327.33,3227.28 IC4.P1@5328.57,3227.28 ; v1(5317.06,3279.08) v1@5317.06,3278.76 ; v1(5318.02,3435.04) 5328.57,3445.6 IC4.G1@5328.57,3447.75 5319.33,3438.51 v1@5318.02,3438.51 ; IC4.T1@5328.57,3164.29 5325.33,3164.29 v1@5315.51,3154.46 ; IC4.M1@5328.57,3290.27 v1@5317.06,3278.76 ; v1(5345.55,3370.25) IC4.J2@5360.07,3384.76 ; IC4.B3@5391.56,3605.23 5406.28,3605.23 5408.55,3607.51 5408.55,3603.51 v1(5412.55,3603.51) ; v1(5494.55,7163.51) IC15.45@5537.55,7163.51 ; v1(5496.55,8124.51) 5498.55,8126.51 5502.55,8126.51 5502.88,8126.18 IC5.28@5540.16,8126.18 ; v1(5499.55,6904.51) 5499.97,6904.92 IC15.32@5540.16,6904.92 ; v1(5499.55,7044.51) 5501.34,7042.72 IC15.39@5540.16,7042.72 ; v1(5505.55,1306.51) 5505.88,1306.83 IC42.45@5550.16,1306.83 ; v1(5506.55,1190.51) 5548.37,1190.51 IC42.39@5550.16,1188.72 ; v1(5508.55,1090.51) 5549.95,1090.51 IC42.34@5550.16,1090.29 ; v1(5509.55,972.51) 5509.88,972.18 IC42.28@5550.16,972.18 ; v1(5518.55,2339.51) R176.2@5545.06,2339.51 ; IC15.28@5540.16,6826.18 5577.23,6826.18 v1(5577.55,6826.51) ; IC27.28@5540.16,7476.18 5582.23,7476.18 5582.55,7476.51 v1(5581.55,7477.51) ; IC27.32@5540.16,7554.92 5578.14,7554.92 5582.93,7550.13 v1@5582.93,7547.13 ; IC27.34@5540.16,7594.29 v1@5579.77,7594.29 ; IC27.39@5540.16,7692.72 5579.77,7692.72 v1(5580.55,7693.51) ; IC27.45@5540.16,7810.83 5573.23,7810.83 5581.58,7802.48 v1(5581.58,7796) ; IC27.48@5540.16,7869.88 5578.18,7869.88 v1(5578.55,7869.51) ; v1(5546.55,2087.51) 5551.77,2092.72 IC35.39@5590.16,2092.72 ; v1(5548.55,2687.51) 5553.77,2692.72 IC33.39@5590.16,2692.72 ; v1(5548.55,2861.51) 5556.93,2869.88 IC33.48@5590.16,2869.88 ; IC42.32@5550.16,1050.92 5588.14,1050.92 v1(5589.55,1049.51) ; v1@5551.55,2554.51 5551.97,2554.92 IC33.32@5590.16,2554.92 ; v1(5552.55,2211.51) 5589.48,2211.51 IC35.45@5590.16,2210.83 ; v1@5553.23,2598.25 5553.23,2594.83 5553.77,2594.29 IC33.34@5590.16,2594.29 ; v1@5553.55,1954.51 5553.97,1954.92 IC35.32@5590.16,1954.92 ; IC15.34@5557.55,6943.51 5572.55,6943.51 v1(5580.55,6951.51) ; v1@5582.93,7595.88 v1(5582.93,7600.98) ; IC35.28@5590.16,1876.18 5590.84,1875.51 v1(5633.55,1875.51) ; IC35.34@5590.16,1994.29 5626.34,1994.29 v1(5630.55,1998.51) ; IC33.28@5590.16,2476.18 5629.23,2476.18 v1(5629.55,2476.51) ; IC33.45@5590.16,2810.83 5629.88,2810.83 v1(5630.55,2811.51) ; v1(5630.55,3514.51) 5636.05,3520 R88.1@5689.55,3520 ; R211.1@5665.05,7080.51 5665.05,7082 v1@5689.55,7106.51 ; R185.2@5694.05,1250.51 v1(5721.55,1250.51) ; v1(5701.55,3419.51) 5701.55,3418.51 v1@5703.55,3416.51 ; v1(5717.55,2160.51) 5719.05,2159.01 R177.2@5719.05,2130.51 ; R38.1@6141.05,4033.51 6141.55,4033 v1(6141.55,3989.51) ; SW1.9@6205.16,4538.51 SW1.10@6205.16,4588.51 SW1.11@6205.16,4638.51 SW1.12@6205.16,4688.51 SW1.13@6205.16,4738.51 SW1.14@6205.16,4788.51 SW1.15@6205.16,4838.51 SW1.16@6205.16,4888.51 6201.82,4888.51 6201.55,4888.77 6201.55,4912.51 v1@6205.55,4916.51 ; v1@5010.55,7046.18 5010.55,7043.51 5013.72,7043.51 5012.46,7044.76 5012.46,7046.42 5012.23,7046.18 v1@5010.55,7046.18 ; v1@5315.51,3154.46 5314.55,3153.51 5314.55,3148.51 5314.78,3148.73 5314.78,3153.51 5315.62,3154.34 v1@5315.51,3154.46 ; v1@5317.06,3278.76 5315.95,3277.65 5315.95,3276.63 5317.06,3277.74 v1@5317.06,3278.76
  Top Layer w8: v1(3637,1581) C15.1@3662.28,1581